# Altium PCB PCB1.PcbDoc (part 1 of 6)
Units mm, origin at the board's own origin, x right, y up, seen from the top; angles counter-clockwise.
Board outline 152.4 x 101.6 mm, 8 copper layers (L1-CU, GND, L3-CU-PWR, L4-CU, L5-CU-GND, L6-CU, L7-CU-GND, L8-CU), stack 1.524 mm thick; 274 components, 255 nets, 1291 pads, 685 vias.
Unrouted connection lines stored in the file: 236.
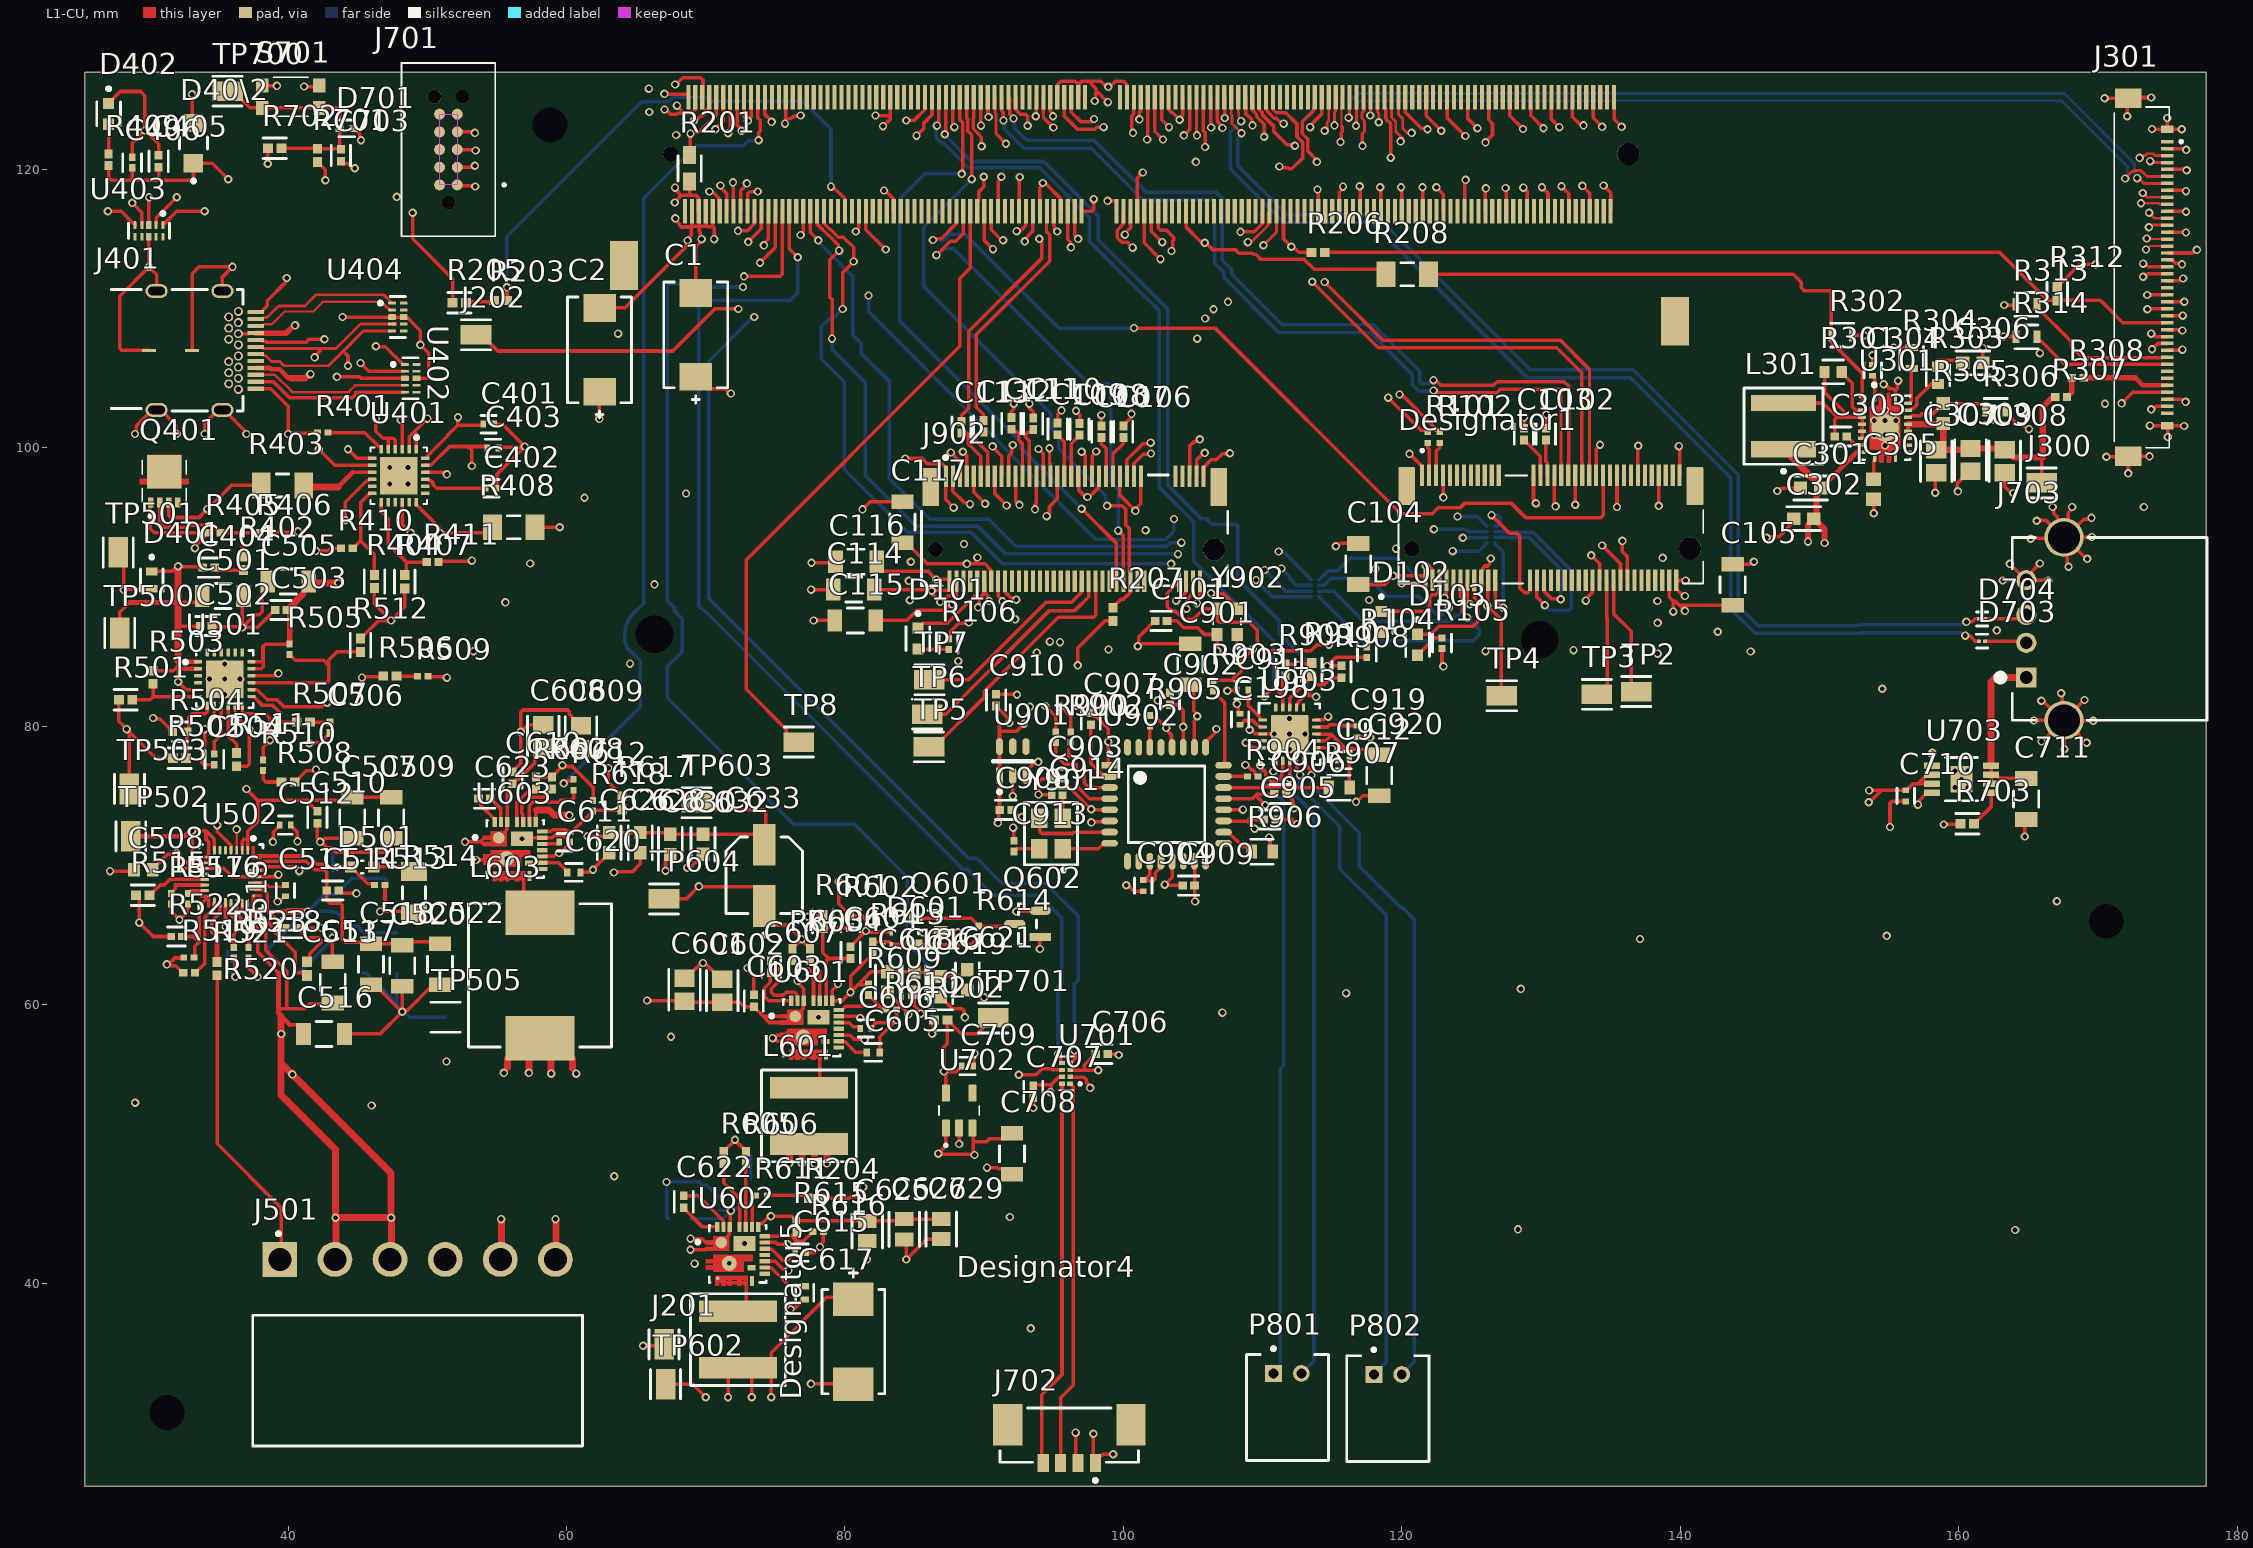
[diagram p0: L1-CU view]
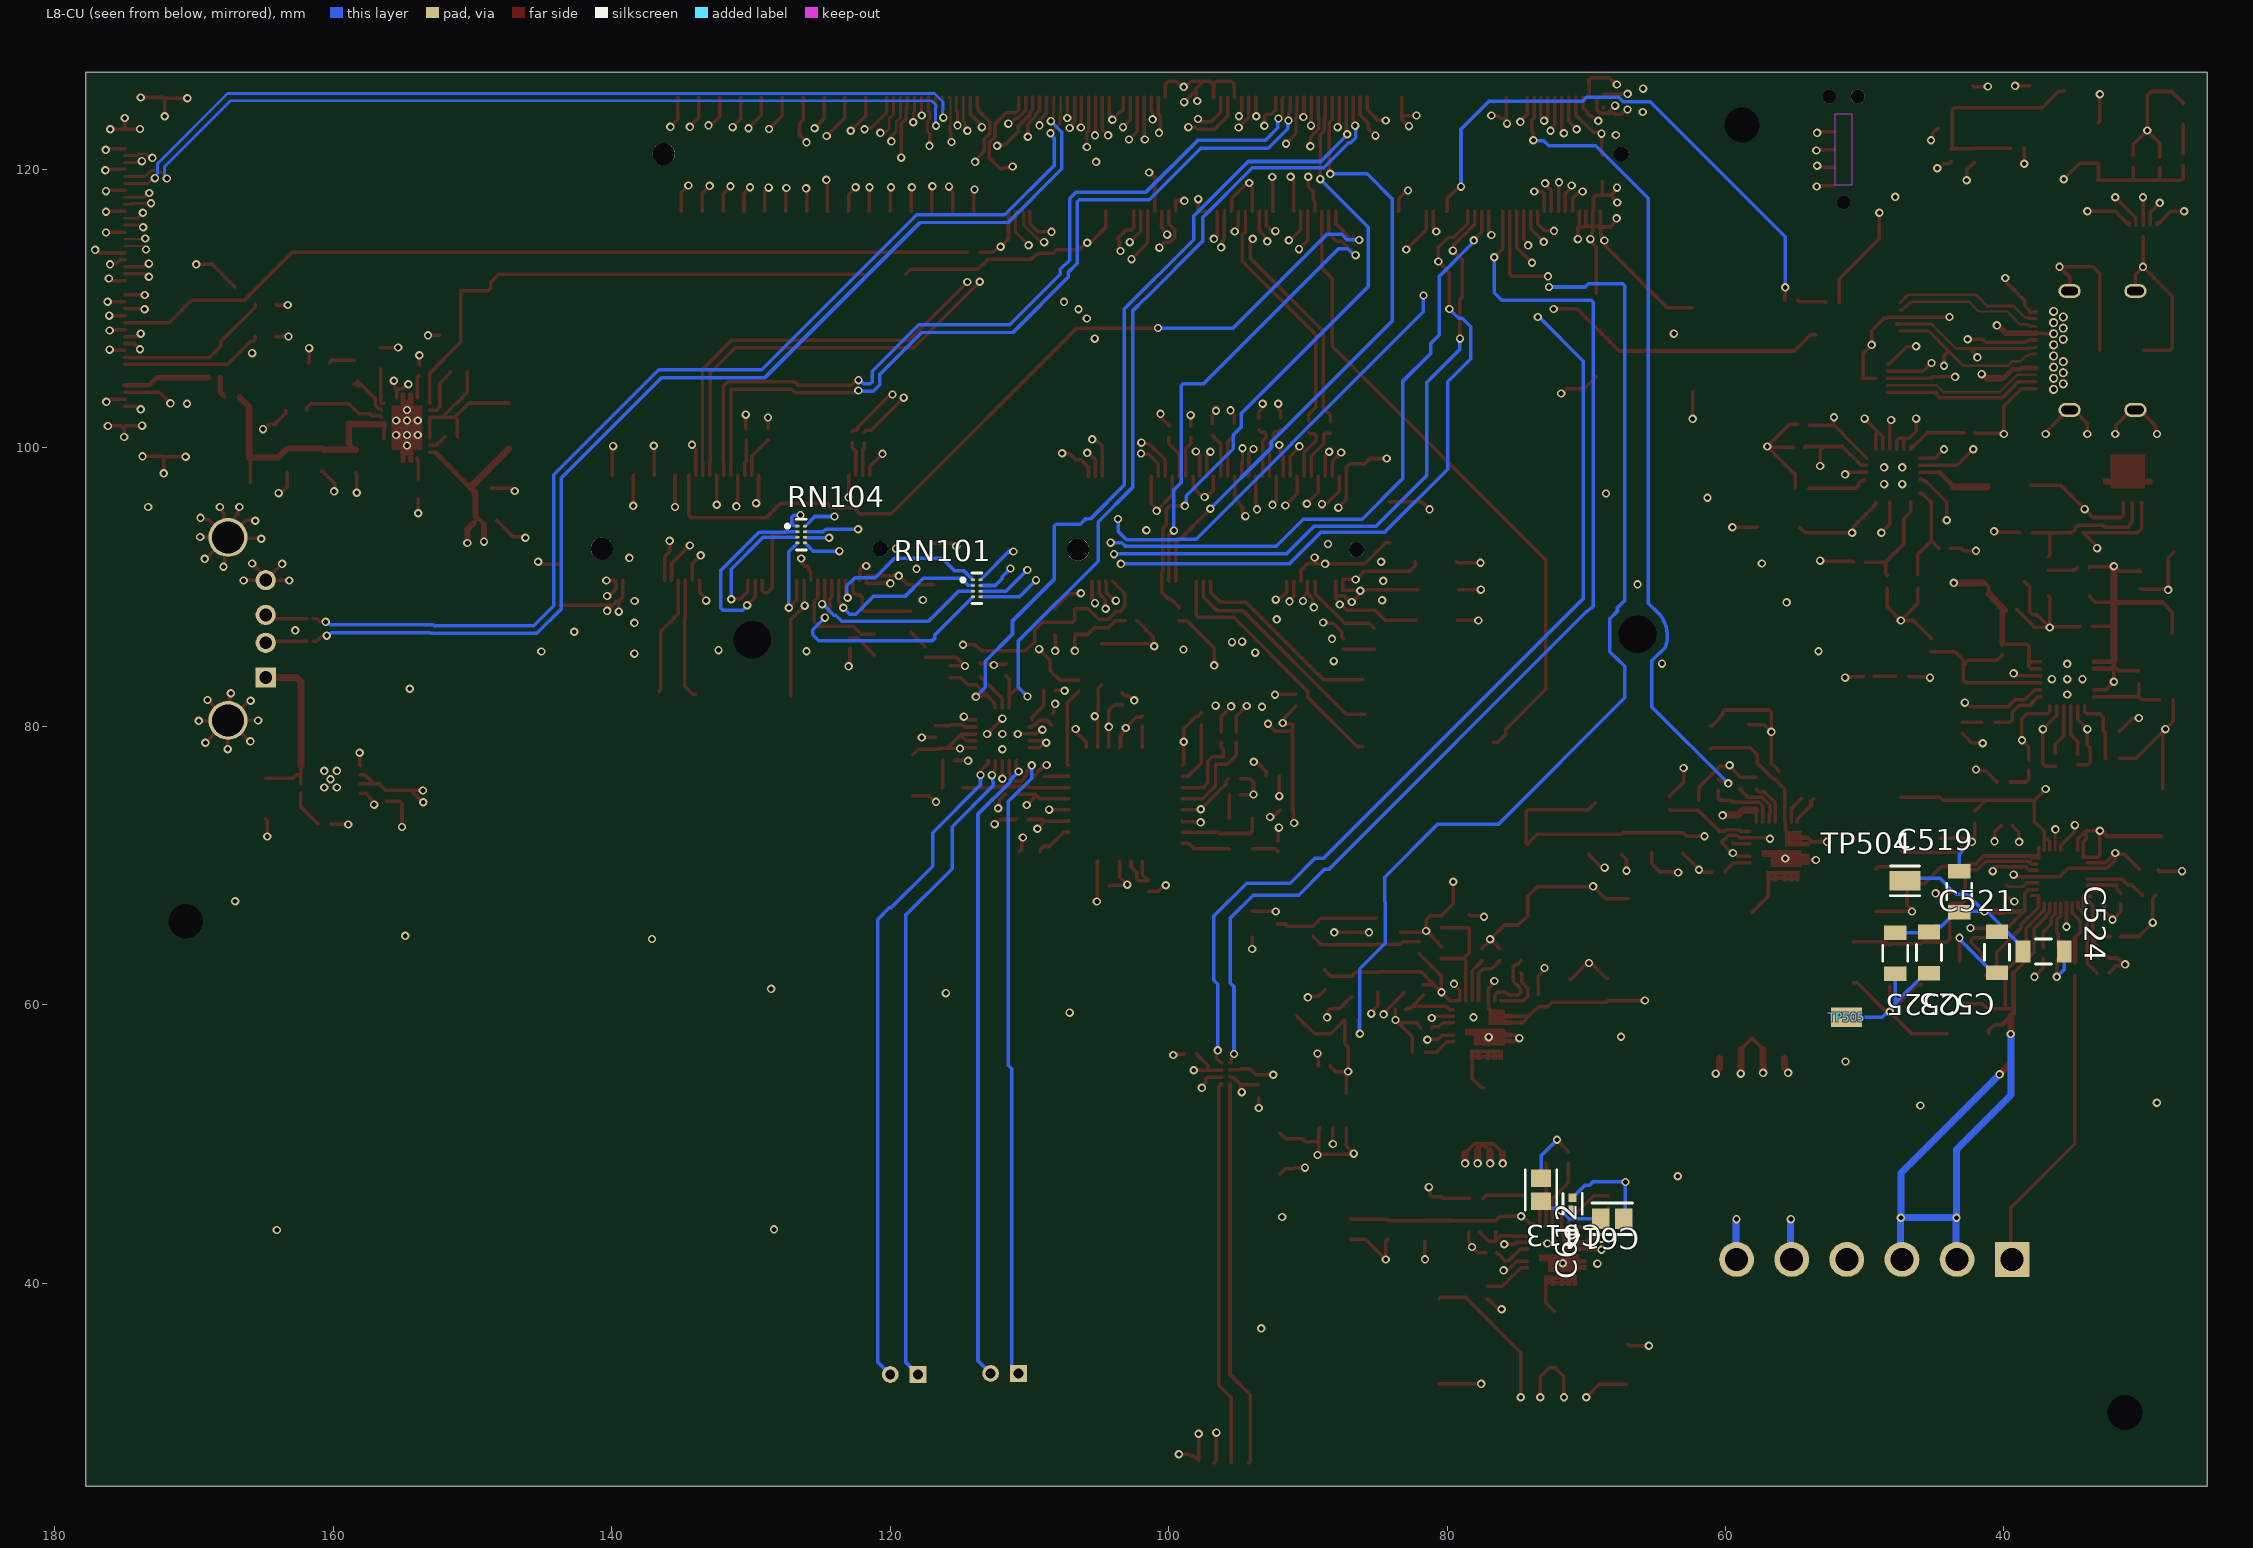
[diagram p1: L8-CU view, seen from below]
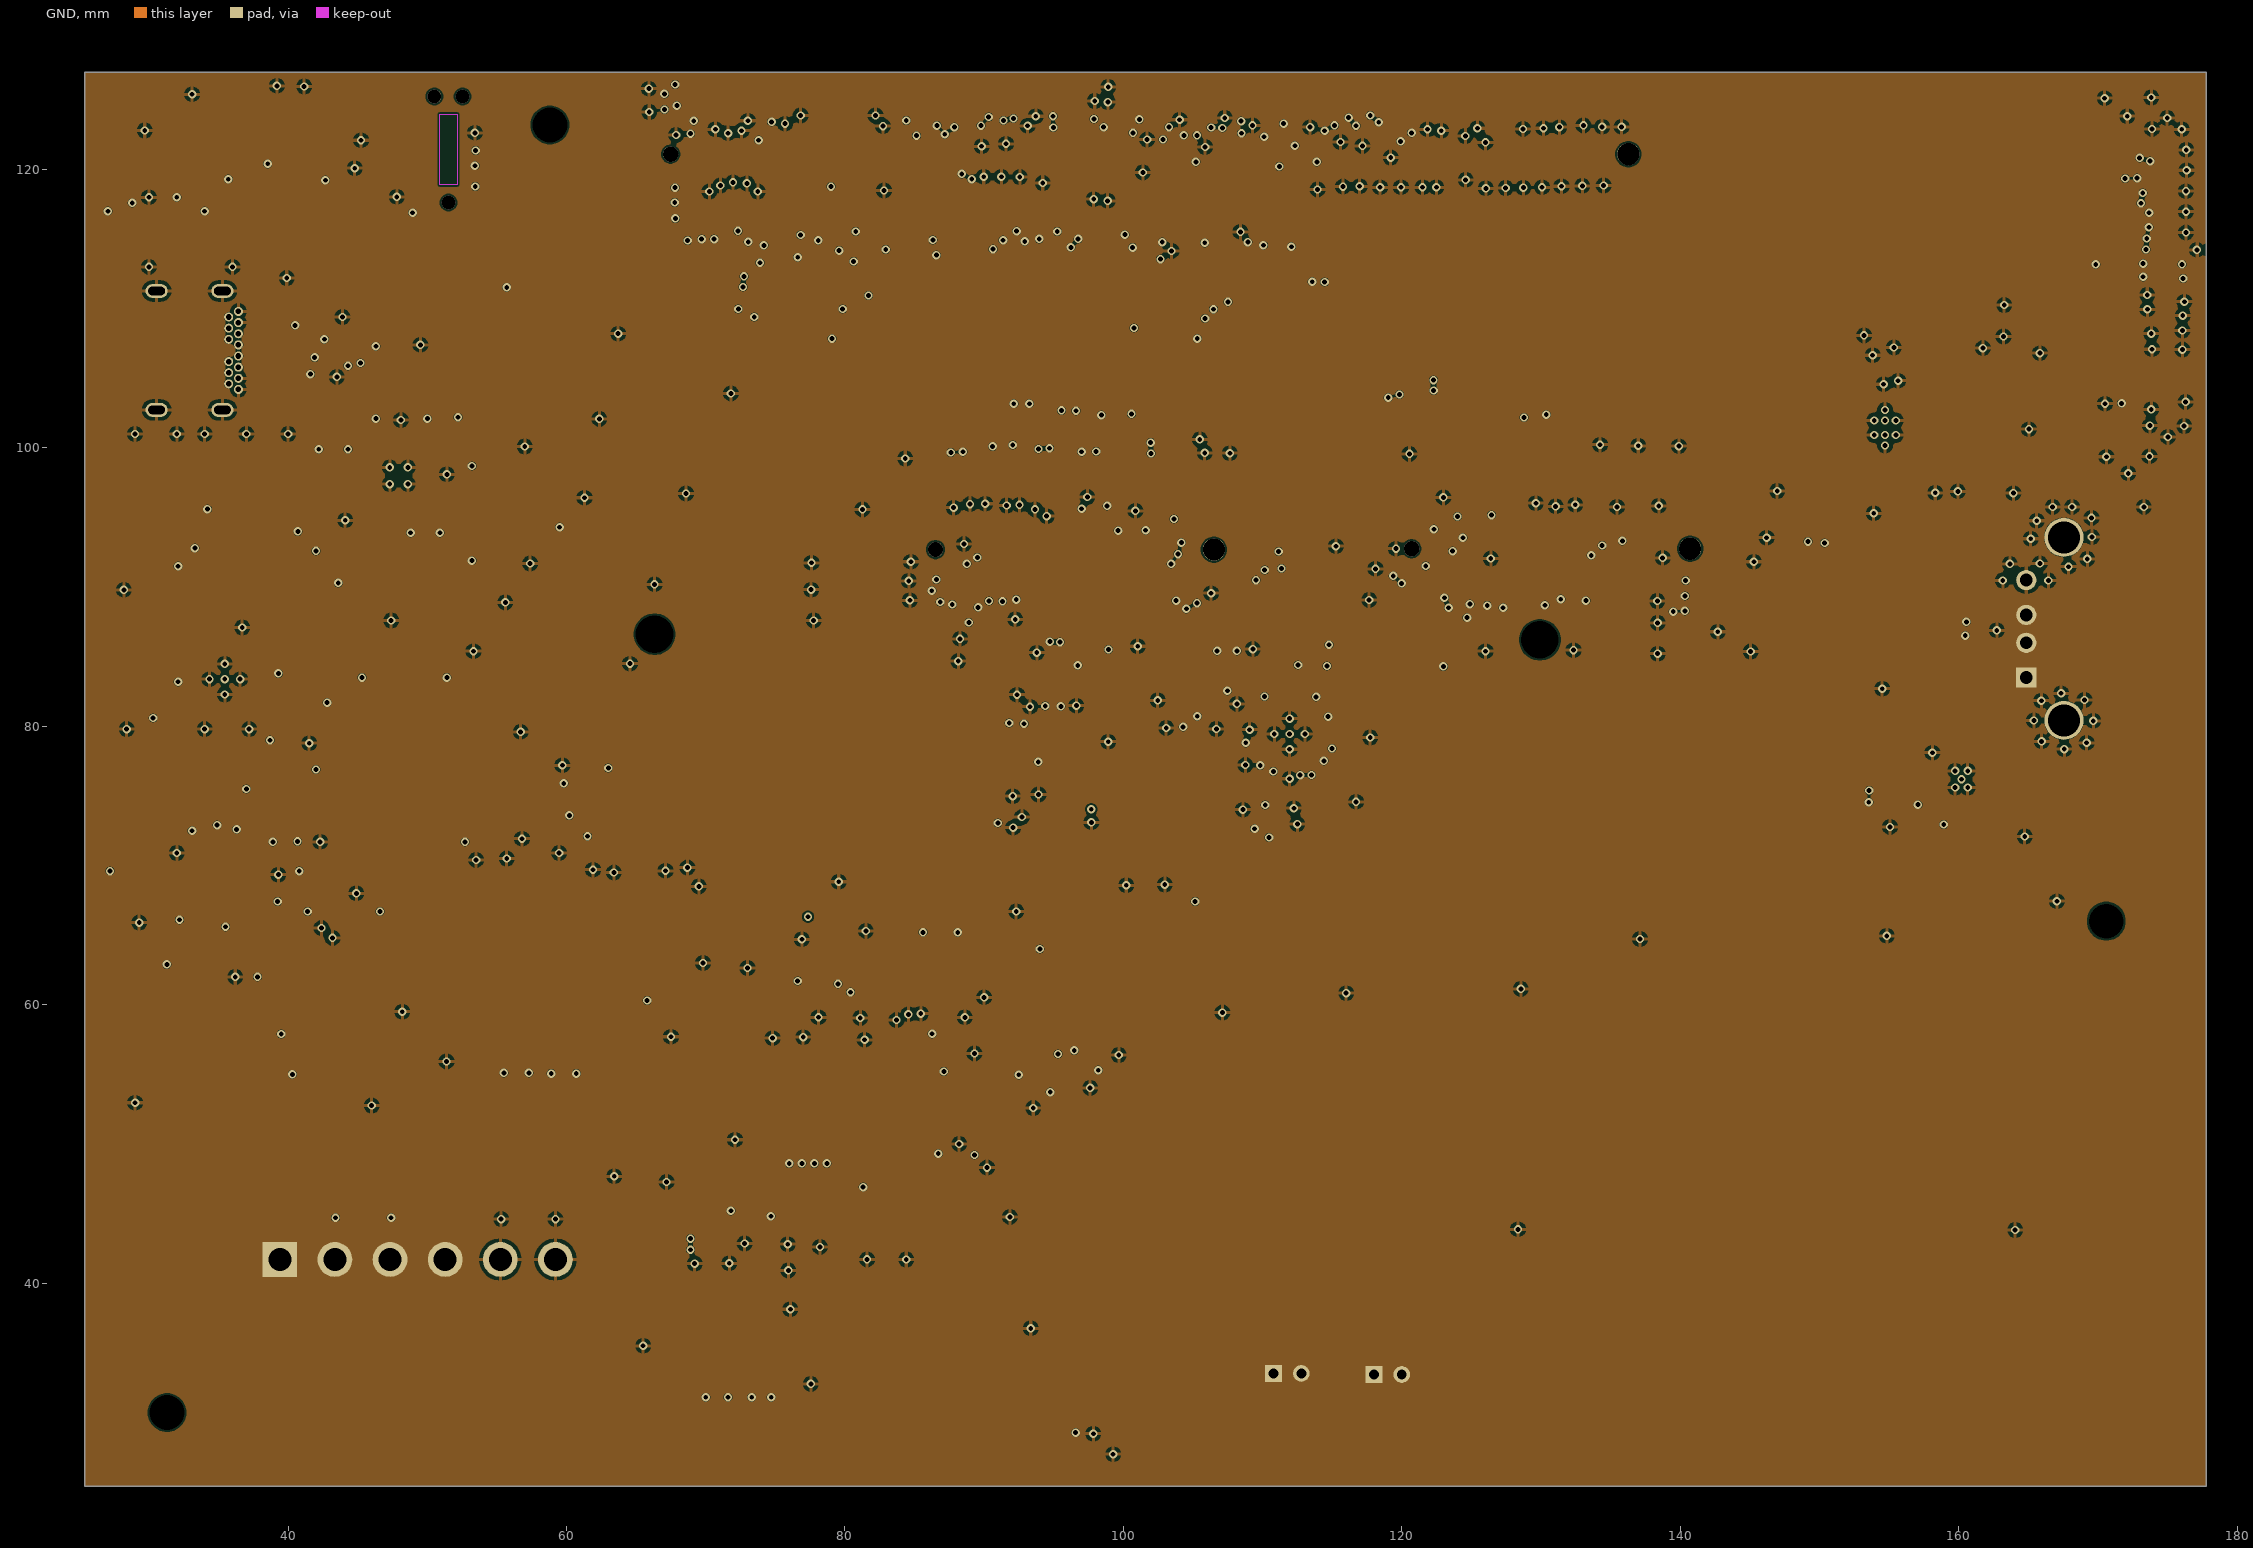
[diagram p2: GND]
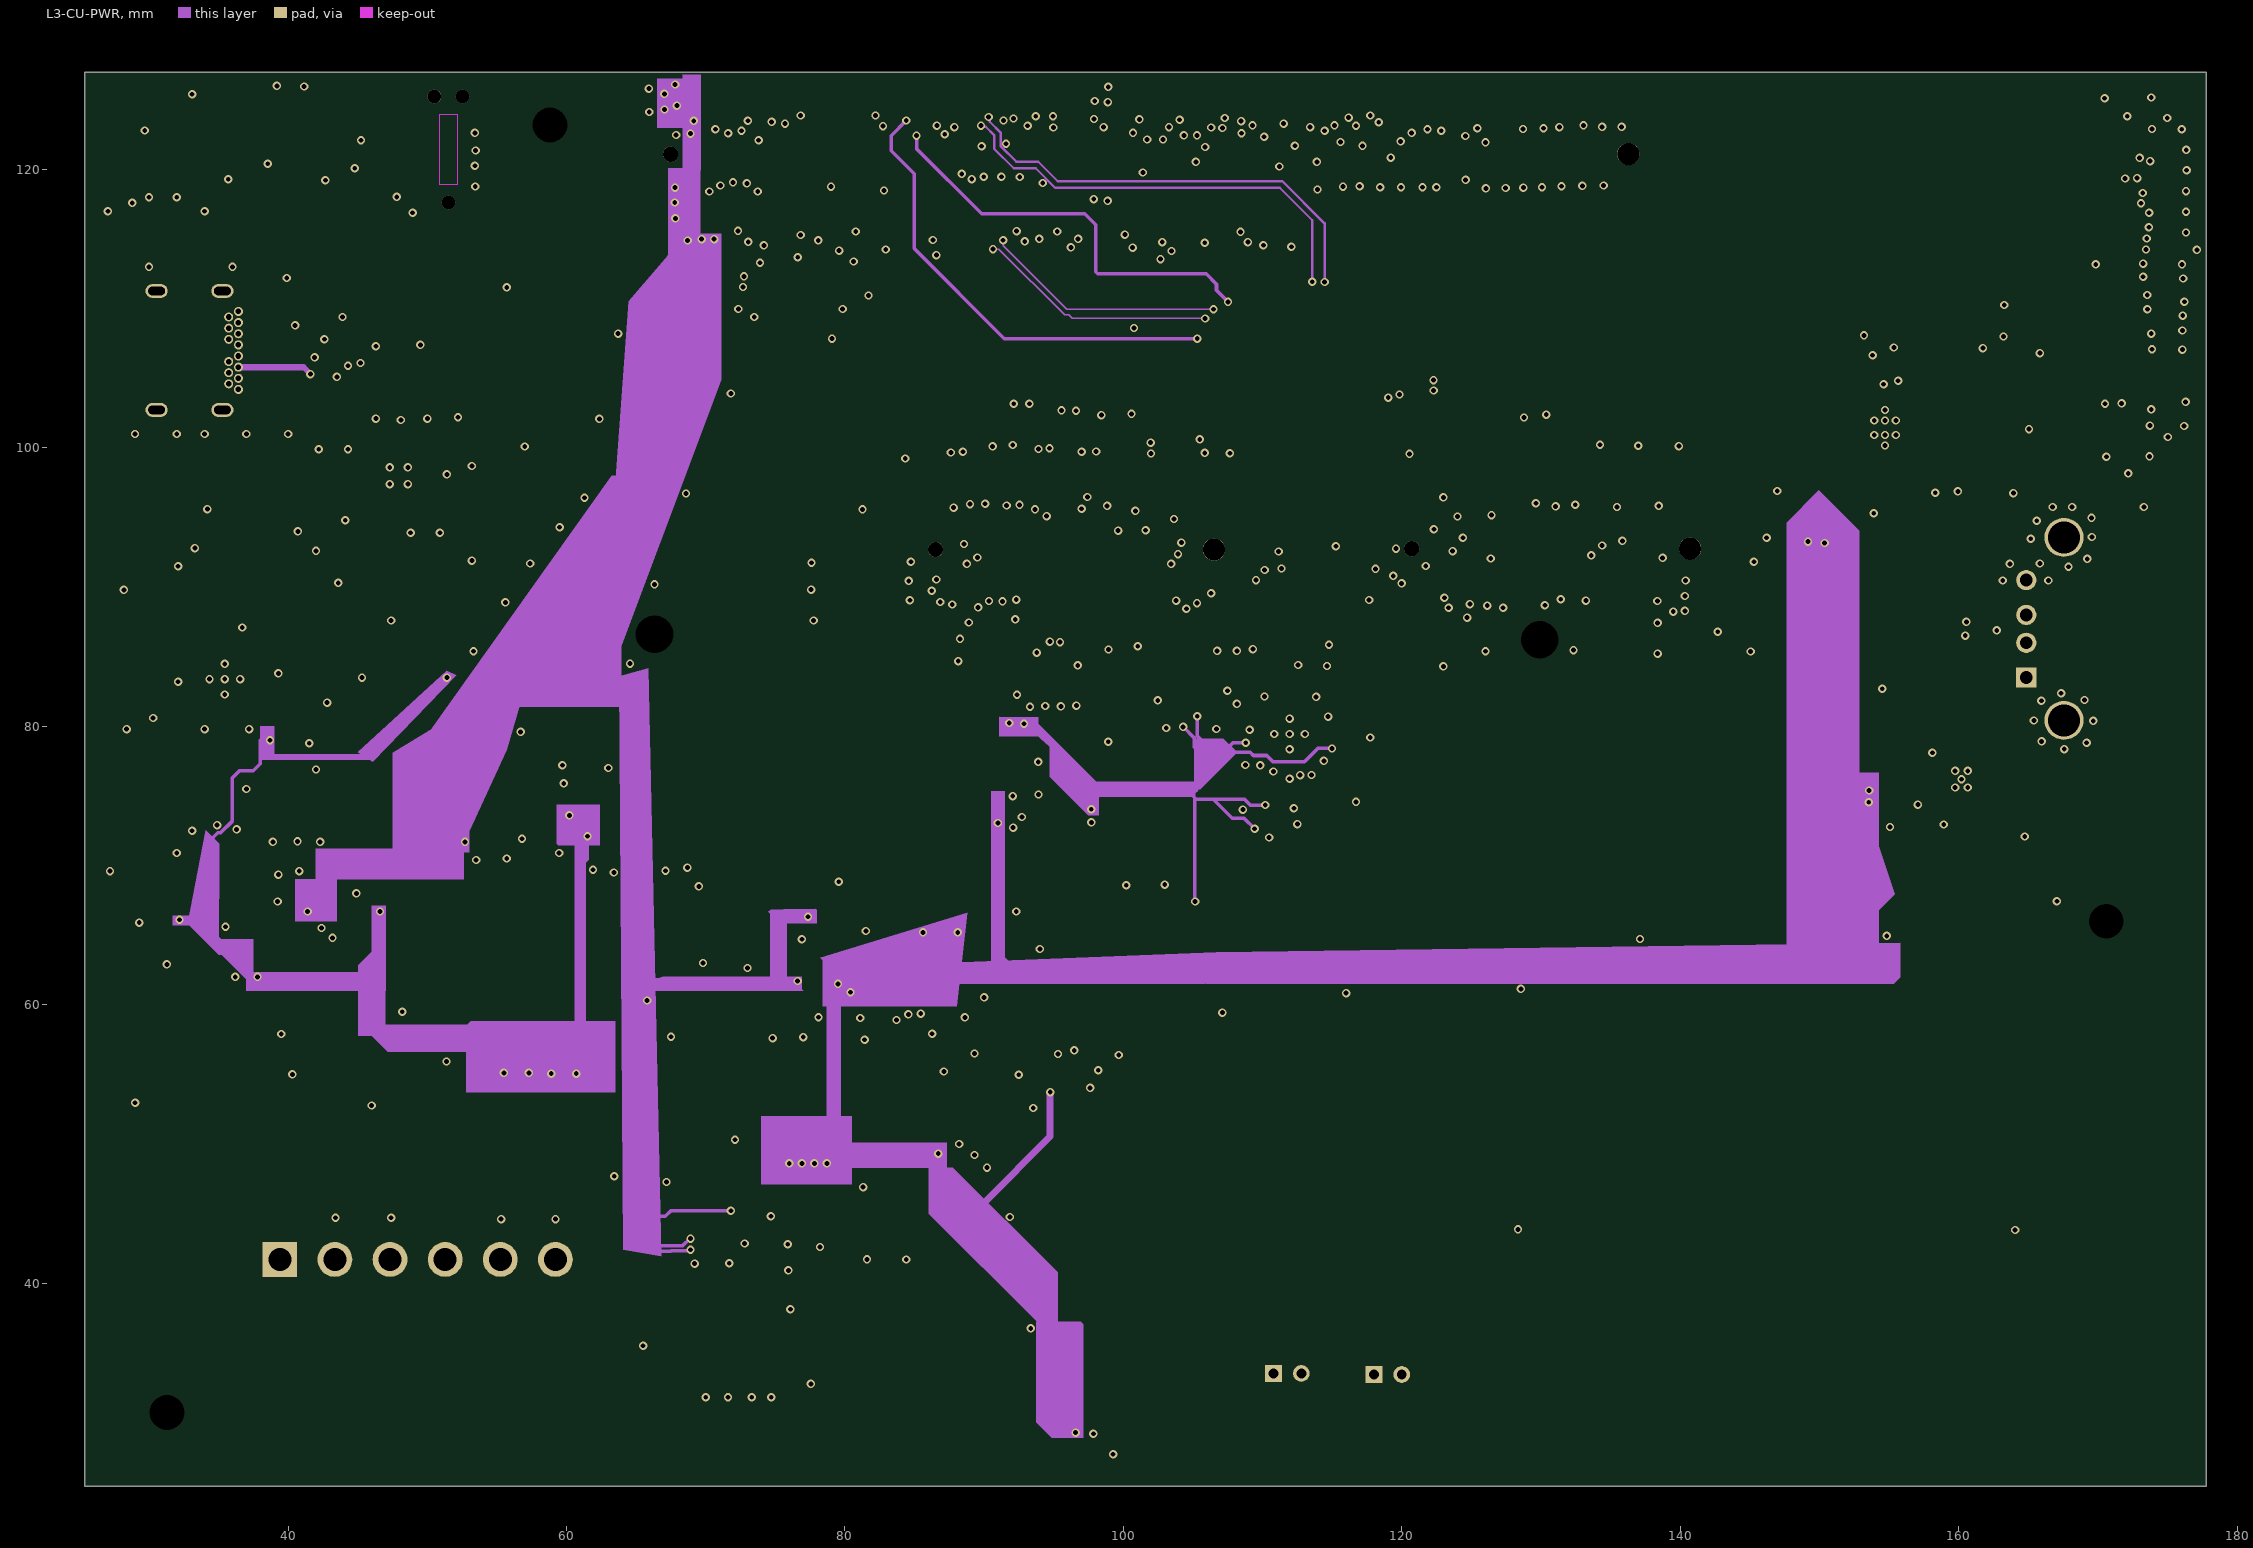
[diagram p3: L3-CU-PWR]